# KiCad board FrontEnd_5G.kicad_pcb (continued)
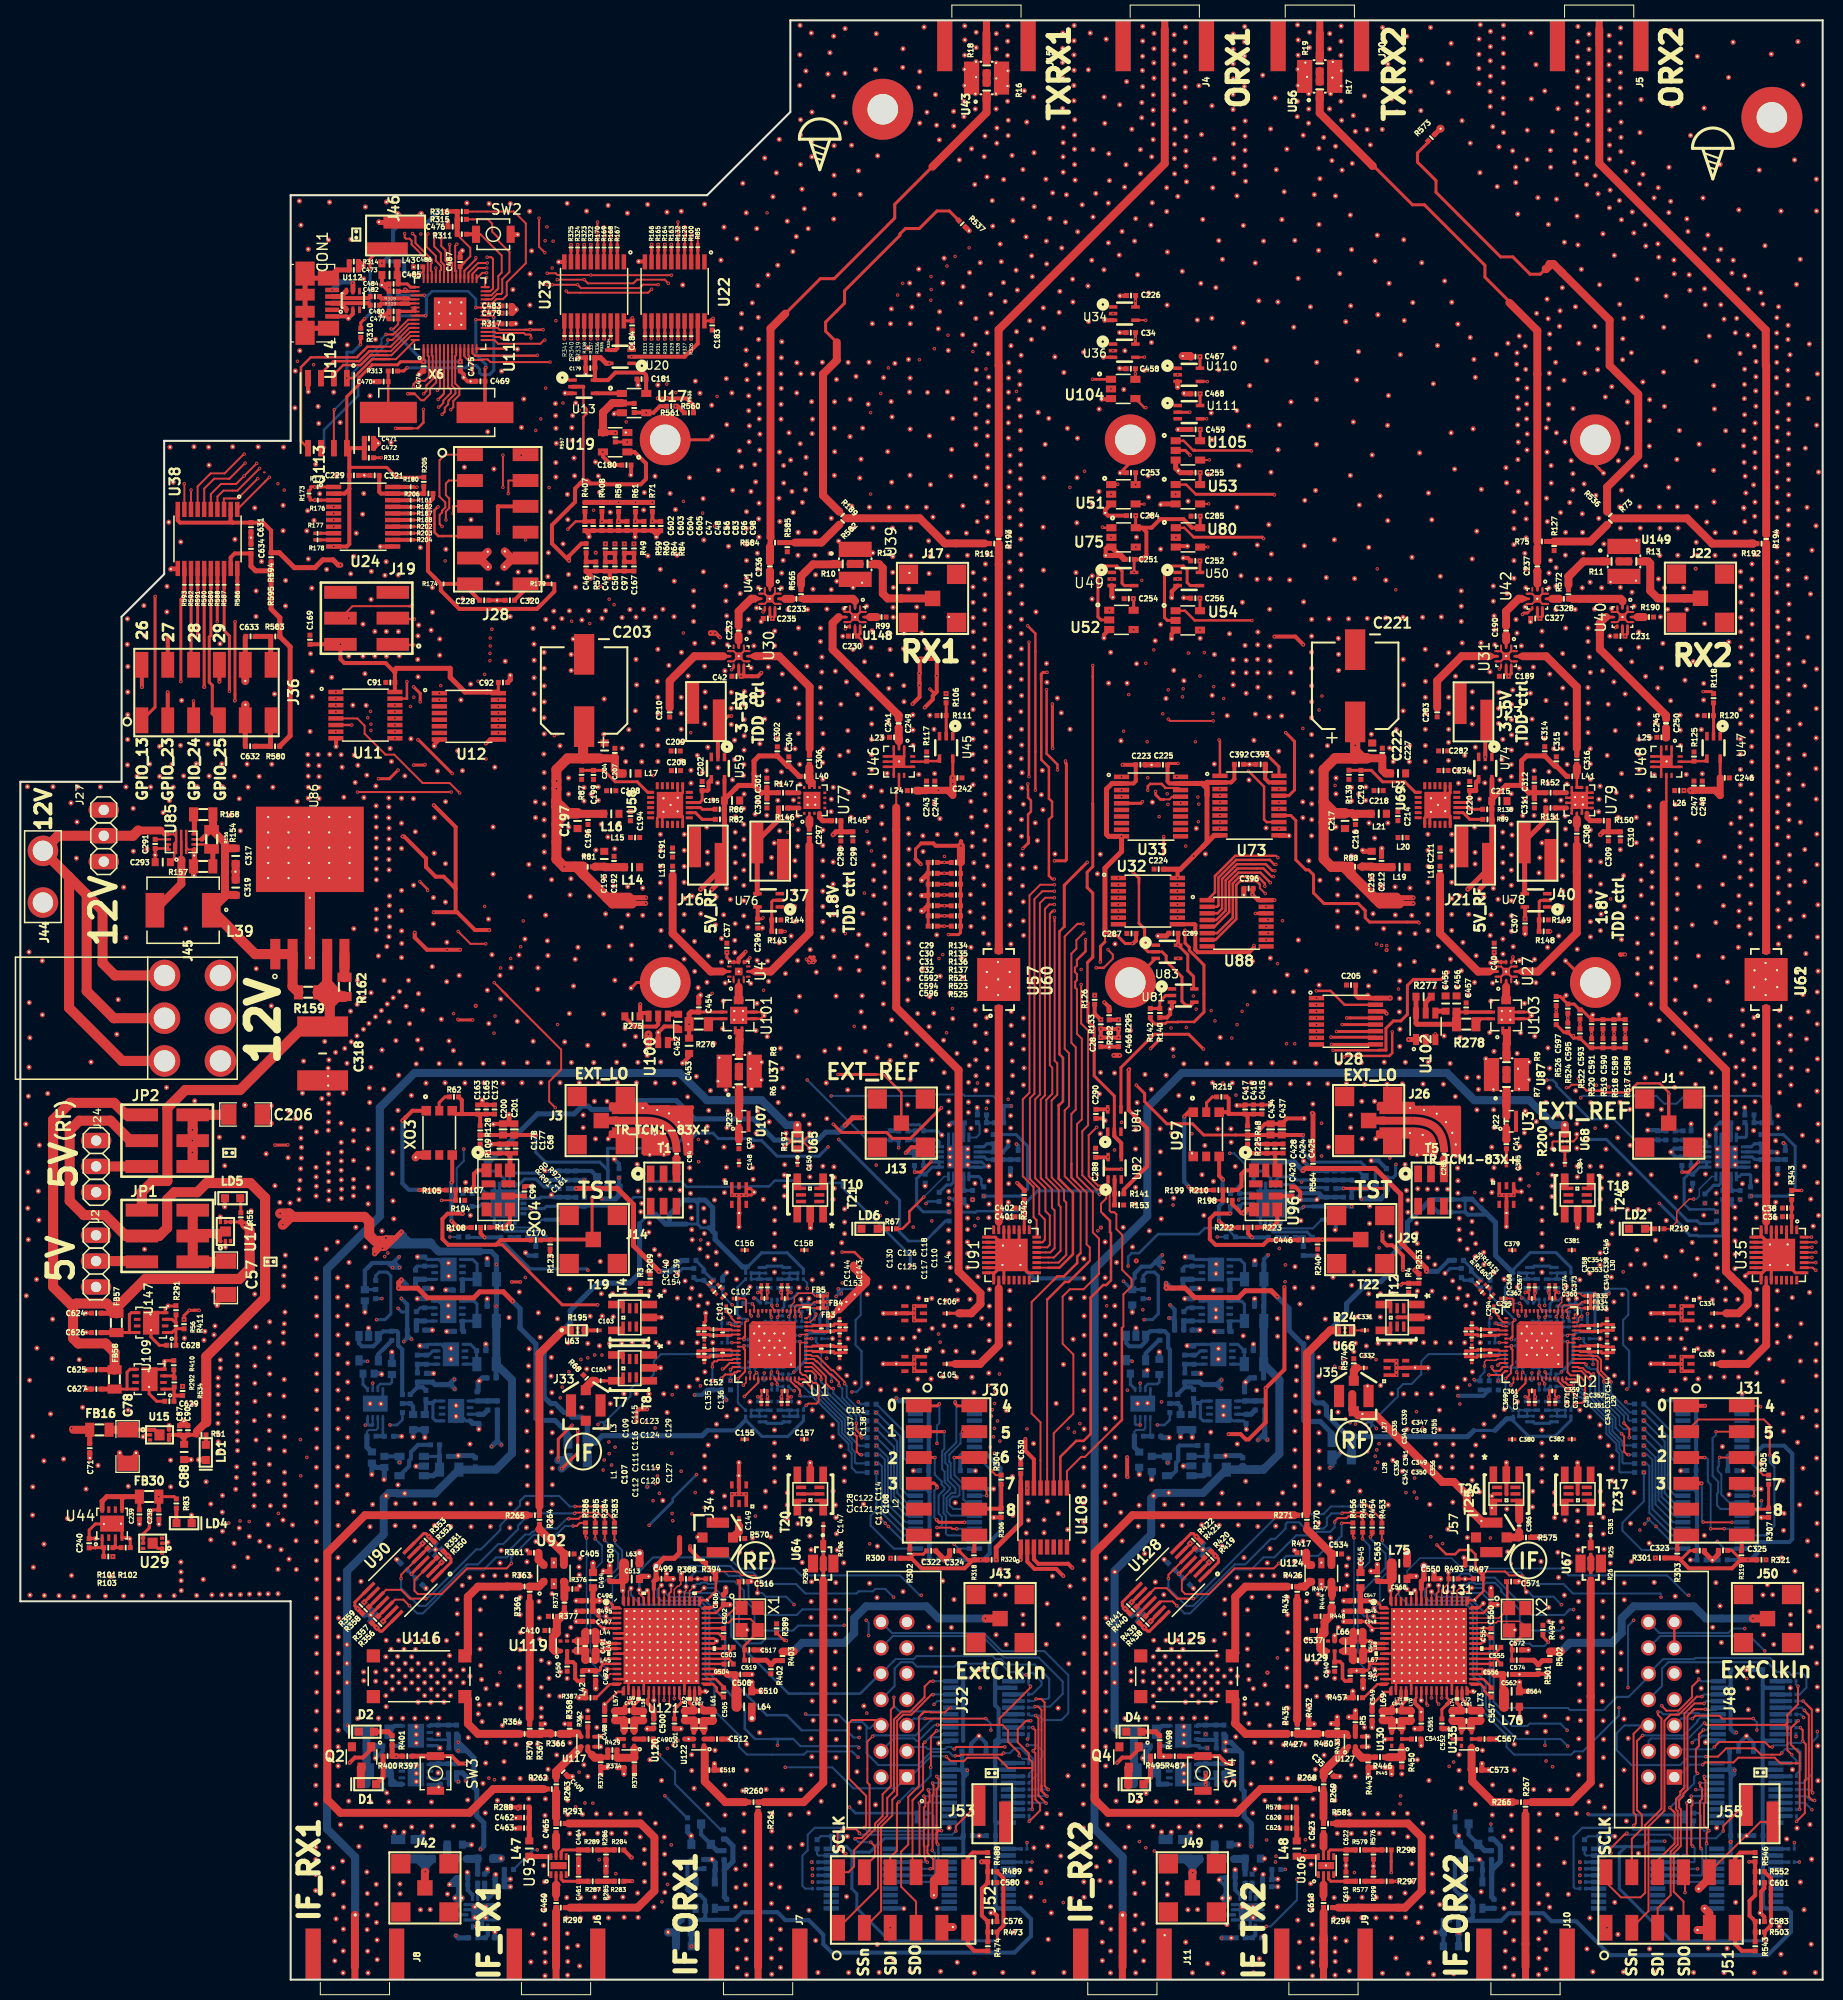
[diagram p0: board, top side]
## Placement (name value [footprint] x y rotation side) (continued)
Ref**#2839  Val**  [VIA_600_400]  156.74 14.09 180 bottom
Ref**#2840  Val**  [VIA_600_400]  165.56 7 180 bottom
Ref**#2841  Val**  [VIA_600_400]  169.69 14.15 180 bottom
Ref**#2842  Val**  [VIA_600_400]  166.75 14.92 180 bottom
Ref**#2843  Val**  [VIA_600_400]  169.68 23.95 180 bottom
Ref**#2844  Val**  [VIA_600_400]  165.66 23.33 180 bottom
Ref**#2845  Val**  [VIA_600_400]  169.71 30.47 180 bottom
Ref**#2846  Val**  [VIA_600_400]  114.05 53.33 0 bottom
Ref**#2847  Val**  [VIA_600_400]  115.2 53.3 0 bottom
Ref**#2848  Val**  [VIA_600_400]  120.52 54.09 0 bottom
Ref**#2849  Val**  [VIA_600_400]  120.44 58.72 0 bottom
Ref**#2850  Val**  [VIA_600_400]  119.63 52.65 0 bottom
Ref**#2851  Val**  [VIA_600_400]  111.2 49.15 0 bottom
Ref**#2852  Val**  [VIA_600_400]  110 49.65 0 bottom
Ref**#2853  Val**  [VIA_600_400]  118.48 51.51 0 bottom
Ref**#2854  Val**  [VIA_600_400]  114.32 50.48 0 bottom
Ref**#2855  Val**  [VIA_600_400]  109.31 65.6 0 bottom
Ref**#2856  Val**  [VIA_600_400]  112.92 53.27 0 bottom
Ref**#2857  Val**  [VIA_600_400]  110.34 21.77 0 bottom
Ref**#2858  Val**  [VIA_600_400]  110.66 18.33 0 bottom
Ref**#2859  Val**  [VIA_600_400]  41.15 25.72 0 bottom
Ref**#2860  Val**  [VIA_600_400]  39.98 25.72 0 bottom
Ref**#2861  Val**  [VIA_600_400]  38.78 25.69 0 bottom
Ref**#2862  Val**  [VIA_600_400]  37.59 25.69 0 bottom
Ref**#2863  Val**  [VIA_600_400]  36.43 25.69 0 bottom
Ref**#2864  Val**  [VIA_600_400]  35.21 25.7 0 bottom
Ref**#2865  Val**  [VIA_600_400]  36.74 14.52 0 bottom
Ref**#2866  Val**  [VIA_600_400]  37.7 14.5 0 bottom
Ref**#2867  Val**  [VIA_600_400]  39.62 14.48 0 bottom
Ref**#2868  Val**  [VIA_600_400]  81.02 73.32 180 bottom
Ref**#2869  Val**  [VIA_600_400]  81.02 74.46 180 bottom
Ref**#2870  Val**  [VIA_600_400]  81.02 75.74 180 bottom
Ref**#2871  Val**  [VIA_600_400]  42.72 8.02 270 bottom
Ref**#2872  Val**  [VIA_600_400]  43.42 8.02 270 bottom
Ref**#2873  Val**  [VIA_600_400]  46.73 10.34 270 bottom
Ref**#2874  Val**  [VIA_600_400]  43.94 10.55 270 bottom
Ref**#2875  Val**  [VIA_600_400]  41.08 20.33 0 bottom
Ref**#2876  Val**  [VIA_600_400]  41.12 18.91 0 bottom
Ref**#2877  Val**  [VIA_600_400]  34.9 21.77 0 bottom
Ref**#2878  Val**  [VIA_600_400]  41.23 22.77 0 bottom
Ref**#2879  Val**  [VIA_600_400]  36.02 18.36 0 bottom
SW2  SW_PUSH  [B3U-1000P]  46.49 171.56 180 top
SW3  SW_PUSH  [B3U-1000P]  40.81 20.27 90 top
SW4  SW_PUSH  [B3U-1000P]  116.25 20.27 90 top
T1  TR_TCM1-83X+  [TCM1-63AX+]  63.23 77.61 0 top
T2  -  [NCR2-113+]  87.87 60.52 90 top
T3  -  [NCR2-113+]  87.86 65.5 90 top
T4  TR_TC1-1-13M+  [TC1-1-13M+]  60.19 65.09 90 top
T5  TR_TCM1-83X+  [TCM1-63AX+]  138.67 77.61 0 top
T6  -  [NCR2-113+]  70.65 77.12 180 top
T7  TR_5400BL15B050  [5400BL15B050]  59.9 60.1 180 top
T8  TR_TC1-1-13M+  [TC1-1-13M+]  60.19 60.13 90 top
T9  TR_TC1-1-13M+  [TC1-1-13M+]  77.65 48.03 180 top
T10  TR_TC1-1-13M+  [TC1-1-13M+]  77.64 76.83 0 top
T11  -  [NCR2-113+]  70.65 47.72 0 top
T12  TR_TC1-1-13M+  [TC1-1-13M+]  135.63 65.09 90 top
T13  -  [NCR2-113+]  163.31 60.52 90 top
T14  -  [NCR2-113+]  163.3 65.5 90 top
T15  -  [NCR2-113+]  146.09 77.12 180 top
T16  -  [NCR2-113+]  135.27 60.13 270 top
T17  TR_TC1-1-13M+  [TC1-1-13M+]  153.09 48.03 180 top
T18  TR_TC1-1-13M+  [TC1-1-13M+]  153.08 76.83 0 top
T19  TR_5400BL15B050  [5400BL15B050]  59.9 65.09 180 top
T20  TR_5400BL15B050  [5400BL15B050]  77.65 47.74 270 top
T21  TR_5400BL15B050  [5400BL15B050]  77.64 77.13 90 top
T22  TR_5400BL15B050  [5400BL15B050]  135.34 65.09 180 top
T23  TR_5400BL15B050  [5400BL15B050]  153.09 47.74 270 top
T24  TR_5400BL15B050  [5400BL15B050]  153.08 77.13 90 top
T25  TR_5400BL15B050  [5400BL15B050]  146.07 47.74 270 top
T26  TR_TC1-1-13M+  [TC1-1-13M+]  146.07 48.04 180 top
U1  -  [LMS8001]  73.93 62.41 0 top
U2  -  [LMS8001]  149.38 62.41 0 top
U3  -  [PAT1220-C-3DB-T5]  146.55 84.37 90 top
U4  -  [SKY13330-397LF]  70.62 99.09 90 top
U5  AP7361  [U-DFN3030-8#2]  42.09 69.81 0 bottom
U6  AP7361  [U-DFN3030-8#2]  42.07 65.71 0 bottom
U7  AP7361  [U-DFN3030-8#2]  42.33 61.47 0 bottom
U8  AP7361  [U-DFN3030-8#2]  42.83 55.9 180 bottom
U9  -  [NCP164CSN330T1G]  34.24 62.06 270 bottom
U10  -  [ADM7155]  34.89 56.62 270 bottom
U11  -  [SN74HCS594QPWRQ1]  33.92 124.29 0 top
U12  -  [SN74HCS594QPWRQ1]  44.09 124.17 0 top
U13  -  [SN74LV1T04]  55.38 156.57 0 top
U14  NCP349  [6-DFN]  20.16 73.54 90 top
U15  NCP349  [6-DFN]  13.68 53.55 0 top
U16  -  [NCP164CSN330T1G]  38.47 50.48 180 bottom
U17  -  [MC74VHC1G126DBVT1G]  60.33 154.96 0 top
U18  ADF4002  [LFCSP 20]  92.25 80.86 270 bottom
U19  -  [MC74VHC1G126DBVT1G]  58.47 151.11 180 top
U20  -  [SN74LV1T04]  58.99 159.52 180 top
U21  -  [NB3H83905CMNG]  47.61 76.29 0 bottom
U22  -  [SN74CBT3245APWE4]  64.32 165.94 270 top
U23  -  [SN74CBT3245APWE4]  56.4 165.94 270 top
U24  -  [NXB0108PW-Q100J]  33.7 143.79 0 top
U25  -  [NXB0108PW-Q100J]  90.89 45.29 0 bottom
U26  AP7361  [U-DFN3030-8]  114.32 23.97 90 bottom
U27  -  [SKY13330-397LF]  146.06 99.09 90 top
U28  -  [SN74HCS594QPWRQ1]  130.31 94.2 0 top
U29  NCP349  [6-DFN]  13.01 42.9 180 top
U30  -  [SKY13330-397LF]  70.62 130.08 270 top
U31  -  [SKY13330-397LF]  146.06 130.08 270 top
U32  -  [SN74HCS594QPWRQ1]  110.84 106.01 0 top
U33  -  [NXB0108PW-Q100J]  111.15 115.3 0 top
U34  -  [SN74LV1T04]  108.52 163.76 0 top
U35  -  [F1956NBGI8]  172.87 71.23 270 top
U36  -  [SN74LV1T34]  108.51 160.11 0 top
U37  -  [BFCV-4085+]  70.67 89.3 90 top
U38  -  [NXB0108PW-Q100J]  18.4 141.61 270 top
U39  -  [SKY13330-397LF]  82.05 133.93 270 top
U40  -  [SKY13330-397LF]  157.49 133.93 270 top
U41  -  [SKY13330-397LF]  73.68 135.73 270 top
U42  -  [SKY13330-397LF]  149.12 135.73 270 top
U43  -  [BFCV-4085+]  94.98 186.91 90 top
U44  AP7361  [U-DFN3030-8]  9.02 44.83 180 top
U45  -  [SN74LV1T34]  91.01 121.12 270 top
U46  -  [TSS-53LNB3+]  86.37 119.72 270 top
U47  -  [SN74LV1T34]  166.44 121.12 270 top
U48  -  [TSS-53LNB3+]  161.81 119.72 270 top
U49  -  [SN74LV1T04]  108.39 137.67 0 top
U50  -  [SN74LV1T04]  114.86 137.67 0 top
U51  -  [MC74VHC1G08DTT1G]  108.43 146 0 top
U52  -  [MC74VHC1G08DTT1G]  108.24 133.65 0 top
U53  -  [MC74VHC1G08DTT1G]  114.77 146 0 top
U54  -  [MC74VHC1G08DTT1G]  114.76 133.6 0 top
U56  -  [BFCV-4085+]  127.73 187.07 90 top
U57  -  [PAT3060H-C-10DB-T1]  96.18 98.3 90 top
U58  -  [MMZ38333BT1]  63.86 115.45 90 top
U59  -  [SN74LV1T34]  68.57 119.08 270 top
U60  NF_PAT3060H-C-1DB-T1  [PAT3060H-C-1DB-T1]  96.18 98.3 90 top
U61  -  [PAT3060H-C-10DB-T1]  171.61 98.3 90 top
U62  NF_PAT3060H-C-1DB-T1  [PAT3060H-C-1DB-T1]  171.61 98.3 90 top
U63  -  [DEA161953BT-2303B1-H]  54.78 63.83 0 top
U64  -  [BFCN-1860+]  78.92 40.9 270 top
U65  -  [DEA161953BT-2303B1-H]  76.39 82.39 90 top
U66  -  [DEA161953BT-2303B1-H]  130.22 63.83 0 top
U67  -  [BFCN-1860+]  154.37 40.9 270 top
U68  -  [DEA161953BT-2303B1-H]  151.83 82.39 90 top
U69  -  [MMZ38333BT1]  139.31 115.46 90 top
U70  -  [NXB0108PW-Q100J]  90.89 53.98 0 bottom
U71  -  [NXB0108PW-Q100J]  166.33 45.29 0 bottom
U72  -  [NXB0108PW-Q100J]  166.33 53.98 0 bottom
U73  -  [NXB0108PW-Q100J]  120.82 115.4 0 top
U74  -  [SN74LV1T34]  144 119.09 270 top
U75  -  [MC74VHC1G08DTT1G]  108.45 141.76 0 top
U76  -  [SN74LV1T34]  73.56 106.09 180 top
U77  QPA9122M  [QPA9122MTR7]  77.81 115.91 90 top
U78  -  [SN74LV1T34]  149 106.09 180 top
U79  QPA9122M  [QPA9122MTR7]  153.25 115.92 90 top
U80  -  [MC74VHC1G08DTT1G]  114.78 141.76 0 top
U81  -  [SN74LV1T04]  114.3 96.73 0 top
U82  -  [SN74LV1T04]  107.57 79.75 90 top
U83  -  [SN74LV1T04]  112.71 101.03 0 top
U84  -  [SN74LV1T04]  107.54 84.44 90 top
U85  -  [TPS62136RGXT]  15.81 111.83 90 top
U86  -  [NCP59301DS50R4G]  28.46 107.3 270 top
U87  -  [BFCV-4085+]  146.09 88.96 90 top
U88  -  [SN74HCS594QPWRQ1]  119.56 103.83 0 top
U89  AP7361  [U-DFN3030-8]  114.32 20.17 90 bottom
U90  NF_LMV324QDRG4  [LMV324QDRG4]  37.61 39.06 225 top
U91  -  [F1956NBGI8]  97.43 71.23 270 top
U92  -  [BDCN-7-25+]  52.44 39.94 180 top
U93  -  [TQL9063]  52.91 11.21 90 top
U94  AP7361  [U-DFN3030-8]  38.88 23.97 90 bottom
U95  AP7361  [U-DFN3030-8]  38.88 20.17 90 bottom
U96  NF_RTX5032A_40.000_MHz  [SMD_RTX5032A]  122.42 77.62 270 top
U97  NF_RPT5032A  [RPT5032A]  116.57 83.09 270 top
U98  NF_ADF4002  [LFCSP 20]  167.69 80.86 270 bottom
U99  -  [NB3H83905CMNG]  122.91 76.29 0 bottom
U100  TPS22810DBVR  [SOT23_TPS22810DBVR]  62.7 93.41 90 top
U101  -  [MNA-7A+]  70.61 94.78 90 top
U102  TPS22810DBVR  [SOT23_TPS22810DBVR]  138.15 93.71 90 top
U103  -  [MNA-7A+]  146.06 94.78 90 top
U104  -  [MC74VHC1G08DTT1G]  108.41 156.35 0 top
U105  -  [MC74VHC1G08DTT1G]  114.77 150.31 0 top
U106  -  [TQL9063]  128.35 11.21 90 top
U107  -  [PAT1220-C-3DB-T5]  71.11 84.37 90 top
U108  -  [SN74HCS594QPWRQ1]  100.61 45.42 90 top
U109  AP7361  [U-DFN3030-8]  12.7 59.02 270 top
U110  -  [SN74LV1T04]  114.86 157.74 0 top
U111  -  [SN74LV1T34]  114.87 154.07 0 top
U112  NUP2202W1T2G  [SC-88-6_NUP2202W1T2G]  32.69 165.05 0 top
U113  NF_W25Q128JVSIM  [W25Q128JVSIM]  30.18 153.98 270 top
U114  -  [AT25SF128A-MHB-T]  30.18 153.98 270 top
U115  RP2040  [RPI_Chip_RP2040_7_500]  42.24 163.75 90 top
U116  -  [XDL15-2-020S]  39.2 29.82 180 top
U117  -  [DC1722J5010AHF]  55.78 23.39 180 top
U118  NF_TMP36GRTZ-REEL7  [TMP36GRTZ-REEL7]  67.32 8.31 90 bottom
U119  -  [BD1722J50100AHF]  53.75 32.79 180 top
U120  -  [BD1722J50100AHF]  59.84 23.65 270 top
U121  SC1905  [SC1905A-00A00]  63.03 32.79 0 top
U122  -  [BD1722J50100AHF]  66.7 23.65 270 top
U123  -  [NXB0108PW-Q100J]  94.21 9.93 180 bottom
U124  -  [BDCN-7-25+]  127.89 39.93 180 top
U125  -  [XDL15-2-020S]  114.64 29.82 180 top
U126  NF_TMP36GRTZ-REEL7  [TMP36GRTZ-REEL7]  142.77 8.31 90 bottom
U127  -  [DC1722J5010AHF]  131.23 23.4 180 top
U128  NF_LMV324QDRG4  [LMV324QDRG4]  113.05 39.06 225 top
U129  -  [BD1722J50100AHF]  129.2 32.79 180 top
U130  -  [BD1722J50100AHF]  135.3 23.65 270 top
U131  SC1905  [SC1905A-00A00]  138.47 32.79 0 top
U132  -  [NXB0108PW-Q100J]  94.23 18.36 180 bottom
U133  -  [SN74CBT3245APWE4]  82.61 9.93 180 bottom
U134  -  [NXB0108PW-Q100J]  94.36 26.41 180 bottom
U135  -  [BD1722J50100AHF]  142.16 23.65 270 top
U136  -  [NXB0108PW-Q100J]  169.81 26.41 180 bottom
U137  -  [NXB0108PW-Q100J]  169.68 18.36 180 bottom
U138  -  [NXB0108PW-Q100J]  169.66 9.93 180 bottom
U139  -  [SN74CBT3245APWE4]  158.06 9.93 180 bottom
U140  AP7361  [U-DFN3030-8]  117.51 65.71 270 bottom
U141  AP7361  [U-DFN3030-8]  117.77 61.47 270 bottom
U142  AP7361  [U-DFN3030-8]  117.53 69.81 270 bottom
U143  AP7361  [U-DFN3030-8]  118.27 55.9 90 bottom
U144  -  [ADM7155]  110.33 56.62 270 bottom
U145  -  [NCP164CSN330T1G]  113.92 50.49 180 bottom
U146  -  [NCP164CSN330T1G]  109.67 62.09 270 bottom
U147  AP7361  [U-DFN3030-8]  12.86 64.58 270 top
U148  -  [BFCV-4085+]  82.07 139.11 0 top
U149  -  [BFCV-4085+]  157.64 139.4 0 top
U?  -  [HEAT_SINK_60.96x116.84]  109.11 124.68 90 bottom
VAL  REF  [TL_C_5x5]  137.38 82.06 180 top
VAL#2  REF  [TL_I_5]  135.78 84.3 90 top
VAL#3  REF  [TL_C_5x5]  61.94 82.06 180 top
VAL#4  REF  [TL_I_5]  60.34 84.3 90 top
X1  830108207209  [278-20.0M-20-W-TR]  71.69 35.45 270 top
X2  830108207209  [278-20.0M-20-W-TR]  147.15 35.42 270 top
X6  -  [ABLS-12.000MHZ-B4-T]  40.93 154.04 180 top
XO3  NF_RPT5032A  [RPT5032A]  41.18 83.23 270 top
XO4  RTX5032A_40.000_MHZ  [SMD_RTX5032A]  46.98 77.62 270 top

## Footprints (pads in the part's own frame, mm; a bottom-side part is the same pattern mirrored in y, then rotated)
6-DFN
  rect 0.43x0.32 smd: 1(-0.935,0.5) 2(-0.935,0) 3(-0.935,-0.5) 4(0.935,-0.5) 5(0.935,0) 6(0.935,0.5)
  rect 1x1.1 smd: 1(0,0)
278-20.0M-20-W-TR
  rect 1.4x1.2 smd: 1(-1.1,-0.8) 2(1.1,-0.8) 3(1.1,0.8) 4(-1.1,0.8)
5400BL15B050
  rect 0.35x1 smd: 1(0.65,0.9) 2(0,0.9) 3(-0.65,0.9) 4(-0.65,-0.9) 5(0,-0.9) 6(0.65,-0.9)
1744037-2
  round 3 hole 2: 1(-2.54,0) 2(2.54,0)
10056844-114LF
  rect 1.5x1.5 hole 1: 1(-7.62,-1.27)
  round 1.5 hole 1: 2(-7.62,1.27) 3(-5.08,-1.27) 4(-5.08,1.27) 5(-2.54,-1.27) 6(-2.54,1.27) 7(0,-1.27) 8(0,1.27) 9(2.57,-1.27) 10(2.54,1.27) 11(5.08,-1.27) 12(5.08,1.27) 13(7.62,-1.27) 14(7.62,1.27)
0353180620
  round 3.1 hole 2.1: 1(4.2,-2.75) 2(0,-2.75) 3(-4.2,-2.75) 4(4.2,2.75) 5(0,2.75) 6(-4.2,2.75)
ABLS-12.000MHZ-B4-T
  rect 5.6x2.1 smd: 1(-4.75,0) 2(4.75,0)
AD5513
  rect 0.6x0.3 smd: 1(-1.4,0.75) 2(-1.4,0.25) 3(-1.4,-0.25) 4(-1.4,-0.75) 9(1.4,-0.75) 10(1.4,-0.25) 11(1.4,0.25) 12(1.4,0.75)
  rect 0.3x0.5 smd: 5(-0.75,-1.4) 6(-0.25,-1.4) 7(0.25,-1.4) 8(0.75,-1.4) 13(0.75,1.4) 14(0.25,1.4) 15(-0.25,1.4) 16(-0.75,1.4)
  rect 1.75x1.75 smd: 10(0,0)
ADM7155
  rect 0.4x0.25 smd: 1(-1.425,0.75) 2(-1.425,0.25) 3(-1.425,-0.25) 4(-1.425,-0.75) 5(1.425,-0.75) 6(1.425,-0.25) 7(1.425,0.25) 8(1.425,0.75)
  round 0.25 smd: 1(-1.225,0.75) 2(-1.225,0.25) 3(-1.225,-0.25) 4(-1.225,-0.75) 5(1.225,-0.75) 6(1.225,-0.25) 7(1.225,0.25) 8(1.225,0.75)
  rect 1.6x2.44 smd: PAD(0,0)
AT25SF128A-MHB-T
  rect 1.6x0.55 smd: 1(-3.44,1.905) 2(-3.44,0.635) 3(-3.44,-0.635) 4(-3.44,-1.905) 5(3.44,-1.905) 6(3.44,-0.635) 7(3.44,0.635) 8(3.44,1.905)
B3U-1000P
  rect 0.8x1.7 smd: 1(-1.7,0) 2(1.7,0)
BD1722J50100AHF
  rect 0.41x0.33 smd: 1(0.66,0.495) 2(0,0.495) 3(-0.66,0.495) 4(-0.66,-0.495) 5(0,-0.495) 6(0.66,-0.495)
BDCN-7-25+
  rect 0.61x0.67 smd: 1(0.99,0.825) 3(-0.99,0.825) 4(-0.99,-0.825) 6(0.99,-0.825)
  rect 0.61x1.07 smd: 2(0,1.025) 5(0,-1.025)
BFCN-1860+
  rect 1x0.6 smd: 1(-1.8,0) 3(1.8,0)
  rect 1.75x1 smd: 2(0,-1) 4(0,1)
BFCV-4085+
  rect 1.5x0.7 smd: 1(-1.9,0) 3(1.9,0)
  rect 3.25x1.5 smd: 2(0,-1.475) 4(0,1.475)
DC1722J5010AHF
  rect 0.41x0.33 smd: 1(0.66,0.495) 2(0,0.495) 3(-0.66,0.495) 4(-0.66,-0.495) 5(0,-0.495) 6(0.66,-0.495)
DEA161953BT-2303B1-H
  rect 0.28x0.55 smd: 1(-0.56,0) 3(0.56,0)
  rect 0.4x0.195 smd: 2(0,-0.203) 4(0,0.203)
EEE-FK1J101P
  rect 2x4 smd: 1(0,-3.55) 2(0,3.55)
F1956NBGI8
  rect 0.85x0.3 smd: 1(-2.475,1.75) 2(-2.475,1.25) 3(-2.475,0.75) 4(-2.475,0.25) 5(-2.475,-0.25) 6(-2.475,-0.75) 7(-2.475,-1.25) 8(-2.475,-1.75) 17(2.475,-1.75) 18(2.475,-1.25) 19(2.475,-0.75) 20(2.475,-0.25) 21(2.475,0.25) 22(2.475,0.75) 23(2.475,1.25) 24(2.475,1.75)
  rect 0.3x0.85 smd: 9(-1.75,-2.475) 10(-1.25,-2.475) 11(-0.75,-2.475) 12(-0.25,-2.475) 13(0.25,-2.475) 14(0.75,-2.475) 15(1.25,-2.475) 16(1.75,-2.475) 25(1.75,2.475) 26(1.25,2.475) 27(0.75,2.475) 28(0.25,2.475) 29(-0.25,2.475) 30(-0.75,2.475) 31(-1.25,2.475) 32(-1.75,2.475)
  rect 3.2x3.2 smd: 33(0,0)
GND_VIA
  round 0.5 hole 0.2: 1(0,0)
GND_VIA#3
  round 0.5 hole 0.2: (0,0)
GND_VIA#4
  round 0.5 hole 0.2: (-0.1,0)
GND_VIA#5
  round 0.5 hole 0.2: (0.06,0)
GND_VIA#6
  round 0.5 hole 0.2: (1,0)
GND_VIA#7
  round 0.5 hole 0.2: (0,-5)
GND_VIA#8
  round 0.5 hole 0.2: (0,5)
HEAT_SINK_60.96x116.84
  round 5 hole 3: 1(-26.67,-45.72) 1(-26.67,0) 1(-26.67,45.72) 1(26.67,-45.72) 1(26.67,0) 1(26.67,45.72)
IND_0402
  rect 0.356x0.658 smd: 1(-0.432,0) 2(0.432,0)
LED_0603
  rect 0.798x0.798 smd: 1(-0.8,0) 2(0.8,0)
LED_0603#2
  rect 0.8x0.8 smd: 1(-0.75,0) 2(0.75,0)
LFCSP 20
  rect 0.95x0.3 smd: 1(-1.93,1.008) 2(-1.93,0.508) 3(-1.93,0.008) 4(-1.93,-0.493) 5(-1.93,-0.991) 11(1.92,-0.991) 12(1.92,-0.493) 13(1.92,0.008) 14(1.92,0.508) 15(1.92,1.008)
  rect 0.3x0.95 smd: 6(-1.001,-1.923) 7(-0.5,-1.923) 8(0,-1.923) 9(0.5,-1.923) 10(0.998,-1.923) 16(0.988,1.928) 17(0.49,1.928) 18(-0.01,1.928) 19(-0.511,1.928) 20(-1.011,1.928)
  rect 2.25x2.25 smd: 21(0,0)
LMS8001
  rect 0.2x0.2 smd: 1(-3.4,2.6) 2(-3.4,2.2) 3(-3.4,1.8) 4(-3.4,1.4) 5(-3.4,1) 6(-3.4,0.6) 7(-3.4,0.2) 8(-3.4,-0.2) 9(-3.4,-0.6) 10(-3.4,-1) 11(-3.4,-1.4) 12(-3.4,-1.8) 13(-3.4,-2.2) 14(-3.4,-2.6) 15(-2.6,-3.4) 16(-2.2,-3.4) 17(-1.8,-3.4) 18(-1.4,-3.4) 19(-1,-3.4) 20(-0.6,-3.4) 21(-0.2,-3.4) 22(0.2,-3.4) 23(0.6,-3.4) 24(1,-3.4) 25(1.4,-3.4) 26(1.8,-3.4) 27(2.2,-3.4) 28(2.6,-3.4) 29(3.4,-2.6) 30(3.4,-2.2) 31(3.4,-1.8) 32(3.4,-1.4) 33(3.4,-1) 34(3.4,-0.6) 35(3.4,-0.2) 36(3.4,0.2) 37(3.4,0.6) 38(3.4,1) 39(3.4,1.4) 40(3.4,1.8) 41(3.4,2.2) 42(3.4,2.6) 43(2.6,3.4) 44(2.2,3.4) 45(1.8,3.4) 46(1.4,3.4) 47(1,3.4) 48(0.6,3.4) 49(0.2,3.4) 50(-0.2,3.4) 51(-0.6,3.4) 52(-1,3.4) 53(-1.4,3.4) 54(-1.8,3.4) 55(-2.2,3.4) 56(-2.6,3.4)
  oval 0.4x0.2 smd: 1(-3.3,2.6) 2(-3.3,2.2) 3(-3.3,1.8) 4(-3.3,1.4) 5(-3.3,1) 6(-3.3,0.6) 7(-3.3,0.2) 8(-3.3,-0.2) 9(-3.3,-0.6) 10(-3.3,-1) 11(-3.3,-1.4) 12(-3.3,-1.8) 13(-3.3,-2.2) 14(-3.3,-2.6) 29(3.3,-2.6) 30(3.3,-2.2) 31(3.3,-1.8) 32(3.3,-1.4) 33(3.3,-1) 34(3.3,-0.6) 35(3.3,-0.2) 36(3.3,0.2) 37(3.3,0.6) 38(3.3,1) 39(3.3,1.4) 40(3.3,1.8) 41(3.3,2.2) 42(3.3,2.6)
  oval 0.2x0.4 smd: 15(-2.6,-3.3) 16(-2.2,-3.3) 17(-1.8,-3.3) 18(-1.4,-3.3) 19(-1,-3.3) 20(-0.6,-3.3) 21(-0.2,-3.3) 22(0.2,-3.3) 23(0.6,-3.3) 24(1,-3.3) 25(1.4,-3.3) 26(1.8,-3.3) 27(2.2,-3.3) 28(2.6,-3.3) 43(2.6,3.3) 44(2.2,3.3) 45(1.8,3.3) 46(1.4,3.3) 47(1,3.3) 48(0.6,3.3) 49(0.2,3.3) 50(-0.2,3.3) 51(-0.6,3.3) 52(-1,3.3) 53(-1.4,3.3) 54(-1.8,3.3) 55(-2.2,3.3) 56(-2.6,3.3)
  trapezoid 0.5x0.3 smd: PAD(-1.9,2.15)
  rect 4.6x4.3 smd: PAD(0,-0.15)
  rect 4.3x0.3 smd: PAD(0.15,2.15)
LMV324QDRG4
  rect 1.6x0.35 smd: 1(-2.8,1.95) 2(-2.8,1.3) 3(-2.8,0.65) 4(-2.8,0) 5(-2.8,-0.65) 6(-2.8,-1.3) 7(-2.8,-1.95) 8(2.8,-1.95) 9(2.8,-1.3) 10(2.8,-0.65) 11(2.8,0) 12(2.8,0.65) 13(2.8,1.3) 14(2.8,1.95)
MC74VHC1G08DTT1G
  rect 1x0.7 smd: 1(-1.2,0.95) 2(-1.2,0) 3(-1.2,-0.95) 4(1.2,-0.95) 5(1.2,0.95)
MC74VHC1G126DBVT1G
  rect 1x0.7 smd: 1(-1.2,0.95) 2(-1.2,0) 3(-1.2,-0.95) 4(1.2,-0.95) 5(1.2,0.95)
MMBT3904
  rect 0.8x0.9 smd: 1(-0.95,-1) 2(0.95,-1) 3(0,1)
MMZ38333BT1
  rect 2.6x2.6 smd: 0(0,0)
  rect 0.7x0.3 smd: 1(-1.9,1.25) 2(-1.9,0.75) 3(-1.9,0.25) 4(-1.9,-0.25) 5(-1.9,-0.75) 6(-1.9,-1.25) 13(1.9,-1.25) 14(1.9,-0.75) 15(1.9,-0.25) 16(1.9,0.25) 17(1.9,0.75) 18(1.9,1.25)
  rect 0.3x0.7 smd: 7(-1.25,-1.9) 8(-0.75,-1.9) 9(-0.25,-1.9) 10(0.25,-1.9) 11(0.75,-1.9) 12(1.25,-1.9) 19(1.25,1.9) 20(0.75,1.9) 21(0.25,1.9) 22(-0.25,1.9) 23(-0.75,1.9) 24(-1.25,1.9)
MNA-7A+
  rect 0.79x0.3 smd: 1(-1.485,0.33) 2(-1.485,-0.33) 5(1.485,-0.33) 6(1.485,0.33)
  rect 0.3x0.79 smd: 3(-0.33,-1.485) 4(0.33,-1.485) 7(0.33,1.485) 8(-0.33,1.485)
  rect 1.7x1.7 smd: 9(0,0)
Mounting Pad
  round 6 hole 3: 1(18.31,-0.83)
Mounting Pad#2
  round 6 hole 3: 1(-11.59,-2.25)
NB3H83905CMNG
  rect 0.6x0.35 smd: 1(-1.85,1) 2(-1.85,0.5) 3(-1.85,0) 4(-1.85,-0.5) 5(-1.85,-1) 11(1.85,-1) 12(1.85,-0.5) 13(1.85,0) 14(1.85,0.5) 15(1.85,1)
  rect 0.35x0.6 smd: 6(-1,-1.85) 7(-0.5,-1.85) 8(0,-1.85) 9(0.5,-1.85) 10(1,-1.85) 16(1,1.85) 17(0.5,1.85) 18(0,1.85) 19(-0.5,1.85) 20(-1,1.85)
  rect 2.8x2.8 smd: 21(0,0)
NCP164CSN330T1G
  rect 1x0.7 smd: 1(-1.2,0.95) 2(-1.2,0) 3(-1.2,-0.95) 4(1.2,-0.95) 5(1.2,0.95)
NCP59301DS50R4G
  rect 3x1 smd: 1(6.5,-3.4) 2(6.5,-1.7) 3(6.5,0) 4(6.5,1.7) 5(6.5,3.4)
  rect 8.4x10.6 smd: 3(-3.8,0)
NCR2-113+
  rect 0.36x1.27 smd: 1(0.71,-0.635) 3(-0.71,-0.635) 5(0,0.635)
  rect 0.36x0.71 smd: 2(0,-0.915) 4(-0.71,0.915) 6(0.71,0.915)
  rect 1.78x0.41 smd: 5(0,0)
NXB0108PW-Q100J
  rect 1.5x0.45 smd: 1(-2.9,2.925) 2(-2.9,2.275) 3(-2.9,1.625) 4(-2.9,0.975) 5(-2.9,0.325) 6(-2.9,-0.325) 7(-2.9,-0.975) 8(-2.9,-1.625) 9(-2.9,-2.275) 10(-2.9,-2.925) 11(2.9,-2.925) 12(2.9,-2.275) 13(2.9,-1.625) 14(2.9,-0.975) 15(2.9,-0.325) 16(2.9,0.325) 17(2.9,0.975) 18(2.9,1.625) 19(2.9,2.275) 20(2.9,2.925)
PAT1220-C-3DB-T5
  rect 0.7x0.4 smd: 1(-0.74,0.475) 2(0.74,0.475)
  rect 2.1x0.4 smd: 3(0,-0.475)
PAT3060H-C-1DB-T1
  rect 0.55x0.8 smd: 1(-2.825,0) 2(2.825,0)
  rect 4.2x4.2 smd: 3(0,0)
PAT3060H-C-10DB-T1
  rect 0.55x0.8 smd: 1(-2.825,0) 2(2.825,0)
  rect 4.2x4.2 smd: 3(0,0)
pin_header_1x3
  oval 1.524x2.995 hole 1.016: 1(-2.545,0) 2(-0.005,0) 3(2.535,0)
PINHEADER_2X3
  rect 3.2x1.27 smd: 1(-2.575,2.575) 2(2.426,2.575) 3(-2.575,0.035) 4(2.426,0.035) 5(-2.575,-2.505) 6(2.426,-2.505)
PMOD_CONN
  rect 2.54x1.27 smd: 1(-2.73,6.35) 2(-2.73,3.81) 3(-2.73,1.27) 4(-2.73,-1.27) 5(-2.73,-3.81) 6(-2.73,-6.35) 7(2.73,6.35) 8(2.73,3.81) 9(2.73,1.27) 10(2.73,-1.27) 11(2.73,-3.81) 12(2.73,-6.35)
QPA9122MTR7
  rect 0.3x0.25 smd: 1(-1.27,0.75) 2(-1.27,0.25) 3(-1.27,-0.25) 4(-1.27,-0.75) 9(1.27,-0.75) 10(1.27,-0.25) 11(1.27,0.25) 12(1.27,0.75)
  rect 0.25x0.3 smd: 5(-0.75,-1.27) 6(-0.25,-1.27) 7(0.25,-1.27) 8(0.75,-1.27) 13(0.75,1.27) 14(0.25,1.27) 15(-0.25,1.27) 16(-0.75,1.27)
  rect 1.7x1.7 smd: 17(0,0)
RPI_Chip_RP2040_7_500
  rect 0.875x0.2 smd: 1(-3.438,2.6) 2(-3.438,2.2) 3(-3.438,1.8) 4(-3.438,1.4) 5(-3.438,1) 6(-3.438,0.6) 7(-3.438,0.2) 8(-3.438,-0.2) 9(-3.438,-0.6) 10(-3.438,-1) 11(-3.438,-1.4) 12(-3.438,-1.8) 13(-3.438,-2.2) 14(-3.438,-2.6) 29(3.438,-2.6) 30(3.438,-2.2) 31(3.438,-1.8) 32(3.438,-1.4) 33(3.438,-1) 34(3.438,-0.6) 35(3.438,-0.2) 36(3.438,0.2) 37(3.438,0.6) 38(3.438,1) 39(3.438,1.4) 40(3.438,1.8) 41(3.438,2.2) 42(3.438,2.6)
  rect 0.2x0.875 smd: 15(-2.6,-3.438) 16(-2.2,-3.438) 17(-1.8,-3.438) 18(-1.4,-3.438) 19(-1,-3.438) 20(-0.6,-3.438) 21(-0.2,-3.438) 22(0.2,-3.438) 23(0.6,-3.438) 24(1,-3.438) 25(1.4,-3.438) 26(1.8,-3.438) 27(2.2,-3.438) 28(2.6,-3.438) 43(2.6,3.438) 44(2.2,3.438) 45(1.8,3.438) 46(1.4,3.438) 47(1,3.438) 48(0.6,3.438) 49(0.2,3.438) 50(-0.2,3.438) 51(-0.6,3.438) 52(-1,3.438) 53(-1.4,3.438) 54(-1.8,3.438) 55(-2.2,3.438) 56(-2.6,3.438)
  rect 3.2x3.2 smd: 57(0,0)
RPT5032A
  rect 0.95x0.95 smd: 1(-2.175,-1.275) 2(2.175,-1.275) 4(2.175,1.275) 5(-2.175,1.275)
  rect 0.95x0.8 smd: 3(2.175,0) 6(-2.175,0)
SC1905A-00A00
  rect 0.127x0.127 smd: 1(-4.381,3.75) 16(-4.381,-3.75) 17(-3.75,-4.381) 32(3.75,-4.381) 33(4.381,-3.75) 48(4.381,3.75) 49(3.75,4.381) 64(-3.75,4.381)
  rect 0.864x0.254 smd: 2(-4.381,3.25) 3(-4.381,2.75) 4(-4.381,2.25) 5(-4.381,1.75) 6(-4.381,1.25) 7(-4.381,0.75) 8(-4.381,0.25) 9(-4.381,-0.25) 10(-4.381,-0.75) 11(-4.381,-1.25) 12(-4.381,-1.75) 13(-4.381,-2.25) 14(-4.381,-2.75) 15(-4.381,-3.25) 34(4.381,-3.25) 35(4.381,-2.75) 36(4.381,-2.25) 37(4.381,-1.75) 38(4.381,-1.25) 39(4.381,-0.75) 40(4.381,-0.25) 41(4.381,0.25) 42(4.381,0.75) 43(4.381,1.25) 44(4.381,1.75) 45(4.381,2.25) 46(4.381,2.75) 47(4.381,3.25)
  rect 0.254x0.864 smd: 18(-3.25,-4.381) 19(-2.75,-4.381) 20(-2.25,-4.381) 21(-1.75,-4.381) 22(-1.25,-4.381) 23(-0.75,-4.381) 24(-0.25,-4.381) 25(0.25,-4.381) 26(0.75,-4.381) 27(1.25,-4.381) 28(1.75,-4.381) 29(2.25,-4.381) 30(2.75,-4.381) 31(3.25,-4.381) 50(3.25,4.381) 51(2.75,4.381) 52(2.25,4.381) 53(1.75,4.381) 54(1.25,4.381) 55(0.75,4.381) 56(0.25,4.381) 57(-0.25,4.381) 58(-0.75,4.381) 59(-1.25,4.381) 60(-1.75,4.381) 61(-2.25,4.381) 62(-2.75,4.381) 63(-3.25,4.381)
  rect 7.468x7.468 smd: 65(0,0)
SC-88-6_NUP2202W1T2G
  rect 0.3x0.66 smd: 1(-0.65,-0.92) 2(0,-0.92) 3(0.65,-0.92) 4(0.65,0.92) 5(0,0.92) 6(-0.65,0.92)
SKY13330-397LF
  rect 0.44x0.2 smd: 1(-0.93,0.5) 2(-0.93,0) 3(-0.93,-0.5) 7(0.93,-0.5) 8(0.93,0) 9(0.93,0.5)
  rect 0.2x0.44 smd: 4(-0.5,-0.93) 5(0,-0.93) 6(0.5,-0.93) 10(0.5,0.93) 11(0,0.93) 12(-0.5,0.93)
  rect 0.76x0.76 smd: 13(0,0)
SMA_H
  rect 2.5x0.699 smd: 1(1.25,0)
  rect 5x1.496 smd: 2(0,-4.1) 3(0,4.1)
  rect 5x1.496 smd far side: 4(0,-4.1) 5(0,4.1)
SMA_vert_SMD
  rect 1.52x1.52 smd: 1(0,0)
  rect 1.91x1.91 smd: 2(-2.37,2.37) 3(-2.37,-2.37) 4(2.37,-2.37) 5(2.37,2.37)
SMD0201
  rect 0.3x0.35 smd: 1(-0.275,0) 2(0.275,0)
SMD0402
  rect 0.495x0.495 smd: 1(-0.45,0) 2(0.45,0)
SMD0603
  rect 0.699x0.798 smd: 1(-0.546,0) 2(0.546,0)
SMD0603#2
  rect 0.7x0.8 smd: 1(-0.75,0) 2(0.75,0)
SMD0603_v2
  rect 0.699x0.798 smd: 1(-0.546,0) 2(0.546,0)
SMD0805
  rect 0.899x1.4 smd: 1(-0.953,0) 2(0.953,0)
SMD1206
  rect 1.524x2.032 smd: 1(-1.651,0) 2(1.651,0)
SMD2220
  rect 2x5 smd: 1(-2.65,0) 2(2.65,0)
SMD_RTX5032A
  rect 1.35x1 smd: 1(-1.925,-1.15) 4(1.925,-1.15) 6(1.925,1.15) 9(-1.925,1.15)
  rect 0.7x1.35 smd: 2(-0.6,-0.975) 3(0.6,-0.975) 7(0.6,0.975) 8(-0.61,0.975)
  rect 1.35x0.7 smd: 5(1.925,0) 10(-1.925,0.005)
SN74CBT3245APWE4
  rect 1.5x0.45 smd: 1(-2.9,2.925) 2(-2.9,2.275) 3(-2.9,1.625) 4(-2.9,0.975) 5(-2.9,0.325) 6(-2.9,-0.325) 7(-2.9,-0.975) 8(-2.9,-1.625) 9(-2.9,-2.275) 10(-2.9,-2.925) 11(2.9,-2.925) 12(2.9,-2.275) 13(2.9,-1.625) 14(2.9,-0.975) 15(2.9,-0.325) 16(2.9,0.325) 17(2.9,0.975) 18(2.9,1.625) 19(2.9,2.275) 20(2.9,2.925)
SN74HCS594QPWRQ1
  rect 1.5x0.45 smd: 1(-2.9,2.275) 2(-2.9,1.625) 3(-2.9,0.975) 4(-2.9,0.325) 5(-2.9,-0.325) 6(-2.9,-0.975) 7(-2.9,-1.625) 8(-2.9,-2.275) 9(2.9,-2.275) 10(2.9,-1.625) 11(2.9,-0.975) 12(2.9,-0.325) 13(2.9,0.325) 14(2.9,0.975) 15(2.9,1.625) 16(2.9,2.275)
SN74LV1T04
  rect 0.85x0.35 smd: 1(-1.1,0.65) 2(-1.1,0) 3(-1.1,-0.65) 4(1.1,-0.65) 5(1.1,0.65)
SN74LV1T34
  rect 0.85x0.35 smd: 1(-1.1,0.65) 2(-1.1,0) 3(-1.1,-0.65) 4(1.1,-0.65) 5(1.1,0.65)
SOT23_TPS22810DBVR
  rect 1.1x0.6 smd: 1(-1.3,0.95) 2(-1.3,0) 3(-1.3,-0.95) 4(1.3,-0.95) 5(1.3,0) 6(1.3,0.95)
SOT-23
  rect 0.8x0.9 smd: 1(-0.95,-1) 2(0.95,-1) 3(0,1)
SPM6530T-2R2M
  rect 1.85x3.4 smd: 1(-2.775,0) 2(2.775,0)
TC1-1-13M+
  rect 0.759x1.648 smd: 1(1.271,-1.585) 2(0.001,-1.585) 3(-1.269,-1.585) 4(-1.269,1.592) 6(1.271,1.592)
TCM1-63AX+
  rect 0.76x1.65 smd: 1(-1.27,1.59) 2(0,1.59) 3(1.27,1.59) 4(1.27,-1.59) 5(0,-1.59) 6(-1.27,-1.59)
TMP36GRTZ-REEL7
  rect 0.9x0.6 smd: 1(-1.3,0.95) 2(-1.3,0) 3(-1.3,-0.95) 4(1.3,-0.95) 5(1.3,0.95)
TPS62136RGXT
  rect 2.4x0.25 smd: 1(0,0.5) 2(0,0) 3(0,-0.5)
  rect 0.25x0.6 smd: 4(-0.75,-1.3) 5(-0.25,-1.3) 6(0.25,-1.3) 7(0.75,-1.3) 8(0.75,1.3) 9(0.25,1.3) 10(-0.25,1.3) 11(-0.75,1.3)
